# Altium PCB modulo_principal_footprint.PcbDoc (continued)
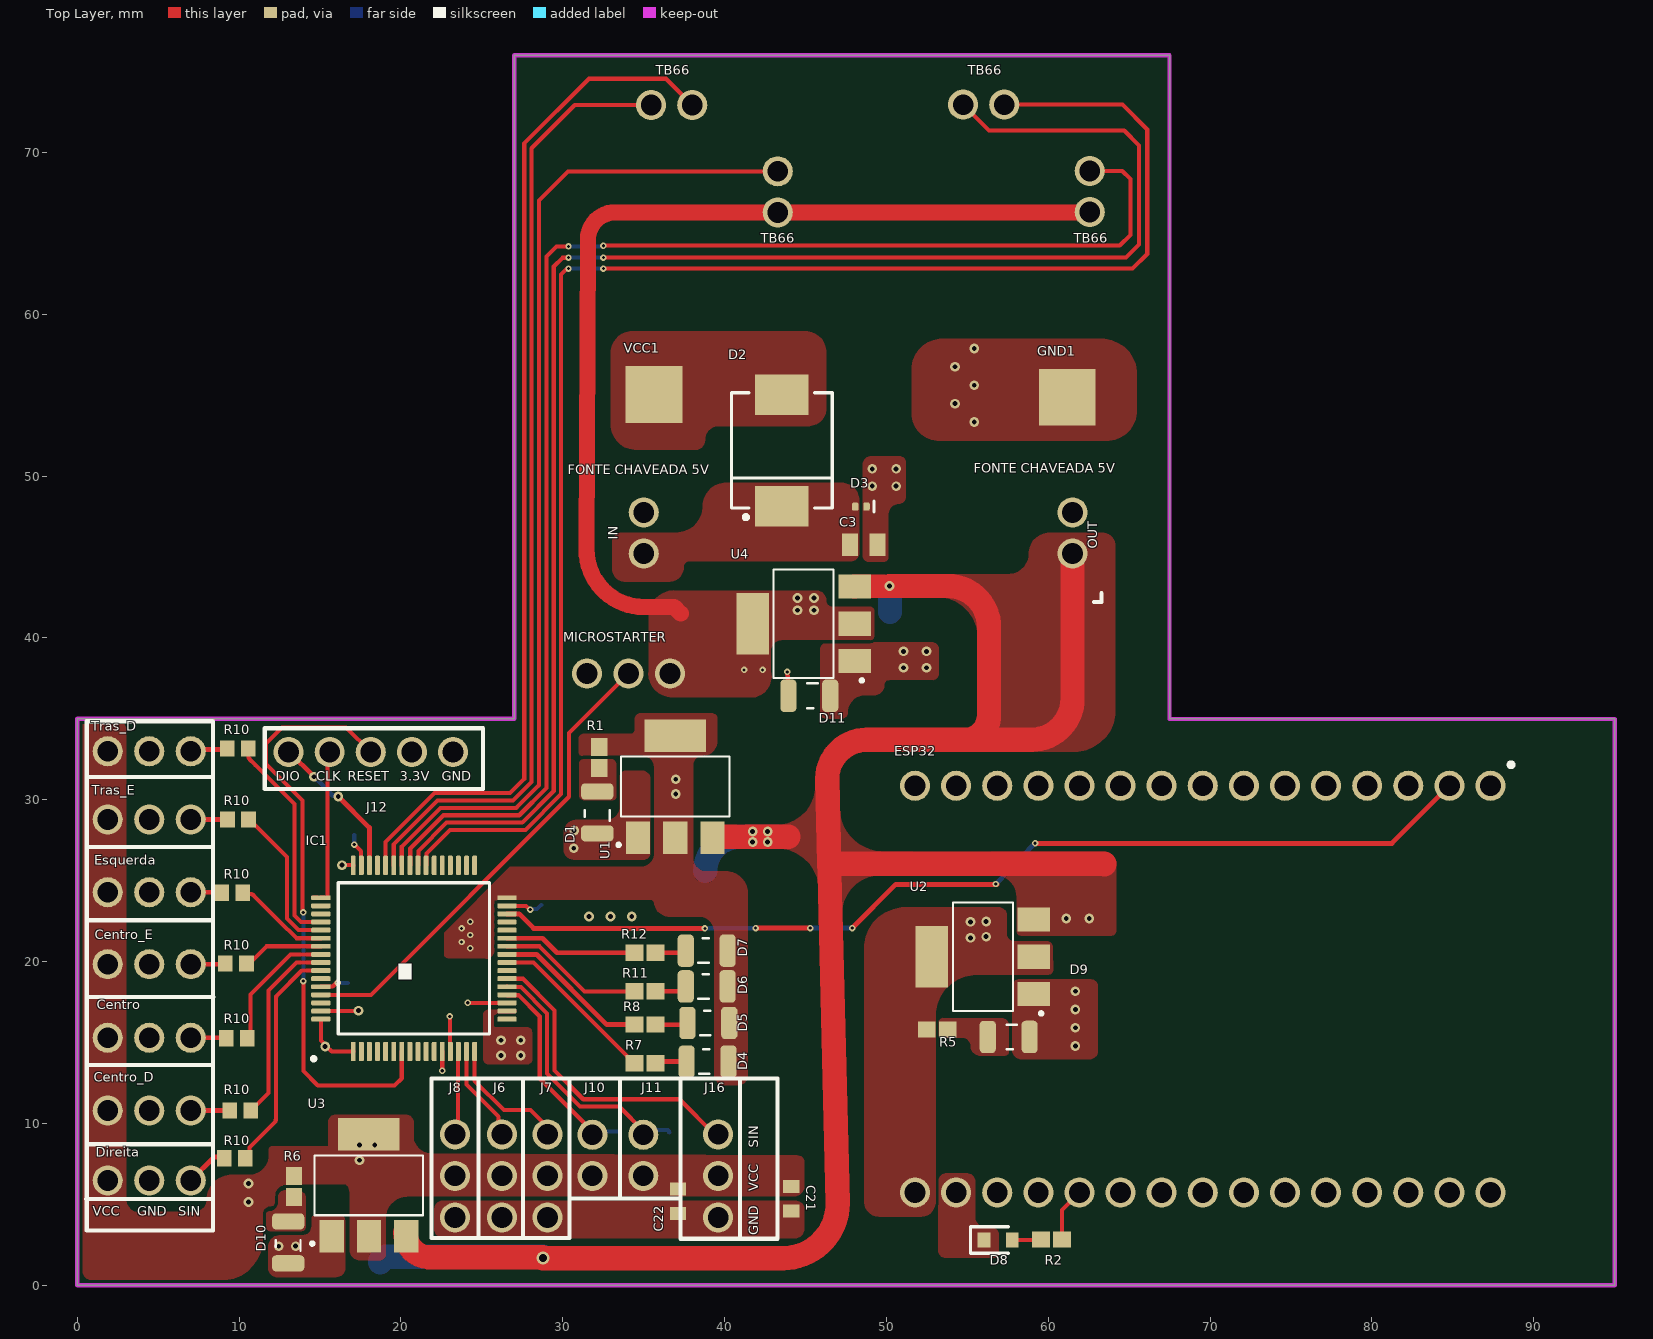
[diagram p0: Top Layer view]
## Nets (pads, with @x,y where several pads share a name; then routed paths per layer and width w, separated by ;. In a path a pad name is that pad's centre, name@x,y a point inside that pad or via, vN(x,y) a via of type N, cw(c..) or ccw(c..) an arc to the next point about the centre after c; other vN are vias at no path point)
3.3V-ESP: C16.2 ESP32.3V3 R5.2 U2.2
  other v1: 55.194,21.463 56.159,21.539 55.194,22.454 56.159,22.479
3.3V-MICRO-TB66: C20.2 MICROSTARTER.PIN1 R14.2 TB66.PIN1@43.28,66.29 TB66.PIN1@62.559,66.316 U4.2 | length 59.1
  Top Layer w1: 37.287,41.504 36.881,41.91 35.001,41.91 cw(c35.001,45.441) 31.471,45.441 31.553,64.621 cw(c33.223,64.621) 33.223,66.29 43.28,66.29 62.534,66.29 TB66.PIN1@62.559,66.316
  other v1: 44.501,41.707 45.517,41.707 44.501,42.469 45.517,42.469
  other v2: 41.199,38.024 42.342,38.024
3.3V-SENSOR: C10.2 C11.2 C18.2 C21.2 C22.2 Centro.PIN1 Centro_D.PIN1 Centro_E.PIN1 Direita.PIN1 Esquerda.PIN1 J6.PIN2 J7.PIN2 J8.PIN2 J10.PIN1 J11.PIN1 J16.PIN2 R6.2 Tras_D.PIN1 Tras_E.PIN1 U3.2
  other v1: 10.576,5.148 10.576,6.291 17.438,7.723 17.438,8.662 18.378,8.662
5V: "FONTE CHAVEADA 5V.PIN1"@61.5,45.212 C1.2 C15.2 C17.2 C19.2 U1.3 U2.3 U3.3 U4.3 | length 139.3
  Top Layer w1.5: U3.3@20.269,3.251 ccw(c21.793,3.251) 21.604,1.739 ccw(c21.793,3.251) 21.793,1.727 v3@28.766,1.727 ; v3(28.766,1.674) 43.61,1.674 ccw(c43.61,5.052) 46.987,5.032 ccw(c45.487,5.036) 46.987,5.073 46.479,25.472 46.465,26.037 ; U1.3@39.435,27.711 43.947,27.711 ; U4.3 v1(50.19,43.205) 53.797,43.205 cw(c53.797,40.665) 56.337,40.665 56.337,35.206 cw(c54.837,35.206) 54.84,33.706 ; 61.5,45.212 61.5,36.246 cw(c58.96,36.246) 58.96,33.706 54.84,33.706 ; 63.475,26.01 ccw(c63.447,26.01) 63.447,26.037 46.465,26.037 ; 46.465,26.037 46.335,31.239 cw(c47.835,31.274) 46.335,31.297 cw(c48.781,31.26) 48.781,33.706 54.84,33.706
  Bottom Layer w1.5: C17.2 cw(c19.05,1.422) 19.05,1.753 v3@28.766,1.753 ; C1.2 cw(c40.918,25.603) 40.918,27.711 43.205,27.711 ; v1(50.19,43.205) cw(c50.19,43.18) 50.216,43.18 C19.2
  other v1: 61.112,22.657 62.535,22.657 41.732,27.387 42.657,27.387 41.732,28.042 42.657,28.042
BAT: D2.A VCC1.A
BOOT0: IC1.60 R9.1 | length 1.7
  Top Layer w0.254: IC1.60 15.076,18.466 15.785,18.466 16.013,18.694 v2@16.053,18.694
  Bottom Layer w0.254: v2(16.104,18.694) 16.116,18.682 16.696,18.682 R9.1
DIST1: IC1.58 R10.1@10.378,7.849 | length 14.3
  Top Layer w0.254: R10.1@10.632,7.595 10.632,8.501 12.194,10.062 ccw(c12.014,10.242) 12.268,10.242 12.268,17.734 cw(c12.522,17.734) 12.343,17.914 13.872,19.443 IC1.58
DIST2: IC1.57 R10.1@10.708,10.795 | length 11.9
  Top Layer w0.254: R10.1@10.683,10.566 R10.1@10.683,10.616 ; R10.1@10.734,10.794 11.811,11.871 11.811,18.219 13.535,19.943 IC1.57
DIST3: IC1.56 R10.1@10.505,15.265 | length 8.1
  Top Layer w0.254: R10.1@10.683,15.291 10.693,15.301 10.693,17.965 13.172,20.443 IC1.56
DIST4: IC1.55 R10.1@10.454,19.888 | length 4.9
  Top Layer w0.254: R10.1@10.48,19.787 R10.1@10.48,19.837 ; R10.1@10.632,19.887 11.688,20.943 IC1.55
DIST5: IC1.54 R10.1@10.226,24.257 | length 5.8
  Top Layer w0.254: R10.1@10.404,24.181 10.692,24.181 cw(c10.692,23.927) 10.871,24.107 12.504,22.475 13.535,21.443 IC1.54
DIST6: IC1.53 R10.1@10.581,28.778 | length 9.5
  Top Layer w0.254: R10.1@10.632,28.829 10.632,28.779 12.957,26.454 12.957,22.663 13.677,21.943 IC1.53
DIST7: IC1.52 R10.1@10.556,33.172 | length 13.2
  Top Layer w0.254: R10.1@10.581,33.096 10.581,32.678 ccw(c10.835,32.678) 10.655,32.499 10.99,32.164 13.411,29.743 13.411,22.851 13.82,22.443 IC1.52
ESP32: ESP32.PIN2 IC1.30 | length 62.3
  Top Layer w0.3: IC1.30 27.298,22.943 28.194,22.047 v2(38.786,22.047) ; v2(41.91,22.073) v2(45.288,22.073) ; v2(47.879,22.073) 50.571,24.765 v2@56.82,24.765 ; v2(59.182,27.305) 81.229,27.305 ESP32.PIN2
  Bottom Layer w0.3: v2(38.786,22.047) 38.798,22.06 41.897,22.06 v2(41.91,22.073) ; v2(45.288,22.073) v2(47.879,22.073) ; v2(56.753,24.792) v2(59.182,27.305)
FLAGSIGNAL: IC1.22 J16.PIN1 | length 19.2
  Top Layer w0.254: IC1.22 26.558,18.937 27.534,18.937 29.483,16.988 29.483,13.272 31.263,11.492 37.218,11.492 39.388,9.321 J16.PIN1
LED: ESP32.PIN26 R2.1 | length 3.4
  Top Layer w0.254: R2.1 60.848,4.652 ESP32.PIN26
LED1: IC1.24 R7.2 | length 10.5
  Top Layer w0.254: IC1.24 28.2,19.943 34.004,14.139 34.004,14.089 34.377,13.716 R7.2
LED2: IC1.25 R8.2 | length 9.8
  Top Layer w0.3: IC1.25 28.376,20.443 32.715,16.104 R8.2@34.529,16.104
LED3: IC1.26 R11.2 | length 9
  Top Layer w0.254: IC1.26 28.562,20.943 31.344,18.161 R11.2
LED4: IC1.27 R12.2 | length 8.2
  Top Layer w0.3: IC1.27 28.747,21.443 29.642,20.549 R12.2
LIN1: IC1.14 J8.PIN1 | length 5.4
  Top Layer w0.254: J8.PIN1@23.368,9.169 23.53,9.331 23.53,14.42 IC1.14
LIN2: IC1.15 J6.PIN1 | length 6.1
  Top Layer w0.254: IC1.15 24.053,12.396 26.035,10.414 J6.PIN1@26.035,9.169
LIN3: IC1.16 J7.PIN1 | length 8
  Top Layer w0.254: IC1.16 24.553,12.633 26.365,10.82 27.993,10.82 29.286,9.527 J7.PIN1@29.286,9.347
M1_IN1: IC1.40 TB66.PIN1@54.737,72.949 | length 98
  Top Layer w0.254: IC1.40 21.076,25.966 21.076,26.841 22.822,28.588 27.498,28.588 29.442,30.531 29.442,62.944 29.984,63.487 30.34,63.487 v2@30.353,63.5 ; v2@32.512,63.5 64.795,63.5 65.608,64.313 65.608,70.434 64.694,71.349 56.337,71.349 TB66.PIN1@54.737,72.949
  Bottom Layer w0.254: v2@30.353,63.5 v2@32.512,63.5
  other v2: 30.353,63.503 32.512,63.503
M1_IN2: IC1.39 TB66.PIN2@57.277,72.949 | length 96.6
  Top Layer w0.254: IC1.39 21.576,25.966 21.576,26.681 23.028,28.134 27.686,28.134 29.896,30.343 29.896,62.465 30.222,62.791 30.286,62.791 v2@30.286,62.819 ; v2@32.563,62.819 65.207,62.819 66.116,63.729 66.116,71.425 64.592,72.949 TB66.PIN2@57.277,72.949
  Bottom Layer w0.254: v2(30.353,62.819) v2(32.512,62.819) v2@32.563,62.819
M1_PWM: IC1.41 TB66.PIN2@62.559,68.856 | length 86.7
  Top Layer w0.254: IC1.41 20.576,25.966 20.576,26.983 22.634,29.042 27.31,29.042 28.988,30.719 28.988,63.557 29.616,64.186 v2(30.353,64.186) ; v2(32.512,64.237) 64.414,64.237 65.075,64.897 65.075,68.351 64.57,68.856 TB66.PIN2@62.559,68.856
  Bottom Layer w0.254: v2(30.353,64.186) 32.422,64.186 32.472,64.237 v2(32.512,64.237)
M2_IN1: IC1.43 TB66.PIN1@35.458,72.923 | length 59.1
  Top Layer w0.254: IC1.43 19.553,27.245 22.258,29.95 26.934,29.95 28.07,31.086 28.07,70.256 30.738,72.923 TB66.PIN1@35.458,72.923
M2_IN2: IC1.44 TB66.PIN2@37.998,72.923 | length 63.6
  Top Layer w0.254: IC1.44 19.053,27.387 22.07,30.404 26.746,30.404 27.616,31.274 27.616,70.549 31.616,74.549 36.373,74.549 TB66.PIN2@37.998,72.923
M2_PWM: IC1.42 TB66.PIN2@43.28,68.83 | length 62.8
  Top Layer w0.254: IC1.42 20.053,27.103 22.446,29.496 27.122,29.496 28.524,30.898 28.524,67.031 30.324,68.83 TB66.PIN2@43.28,68.83
NetC3_1: "FONTE CHAVEADA 5V.PIN1"@35,45.212 C3.1 D2.C D3.C
NetD1_A: D1.A R1.1 | length 0.1
  Top Layer w0.254: R1.1@32.207,31.902 cw(c32.258,31.902) R1.1
NetD4_C: D4.C R7.1 | length 1.8
  Top Layer w0.3: R7.1@35.88,13.716 35.98,13.816 D4.C
NetD5_C: D5.C R8.1 | length 1.9
  Top Layer w0.3: R8.1@35.836,16.097 37.594,16.097 D5.C
NetD6_C: D6.C R11.1 | length 1.8
  Top Layer w0.3: R11.1 D6.C@37.49,18.161
NetD7_C: D7.C R12.1 | length 1.9
  Top Layer w0.3: R12.1 D7.C@37.599,20.549 ; D7.C@37.599,20.676 D7.C@37.617,20.676
NetD8_A: D8.A R2.2 | length 1.8
  Top Layer w0.254: D8.A 59.523,2.794 R2.2
NetD9_A: D9.A R5.1
NetD10_A: D10.A R6.1 | length 0.6
  Top Layer w0.254: R6.1@13.03,5.09 cw(c13.386,5.09) R6.1
NetD11_A: D11.A R14.1 | length 3
  Top Layer w0.3: v2(43.866,37.897) 43.936,37.124 cw(c43.637,37.097) 43.937,37.097 D11.A
  Bottom Layer w0.3: v2(43.866,37.897) 43.881,37.102 cw(c43.581,37.097) 43.881,37.097 R14.1
NetJ9_SensorInfra1_PIN3: Direita.PIN3 R10.2@9.078,7.849 | length 2.7
  Top Layer w0.3: Direita.PIN3 8.457,7.925 9.042,7.925 R10.2@9.068,7.95
NetJ9_SensorInfra2_PIN3: Centro_D.PIN3 R10.2@9.408,10.795 | length 2.4
  Top Layer w0.3: Centro_D.PIN3@7.01,10.846 ccw(c7.133,10.968) 7.133,10.795 R10.2@9.408,10.795
NetJ9_SensorInfra3_PIN3: Centro.PIN3 R10.2@9.205,15.265 | length 2.2
  Top Layer w0.3: Centro.PIN3@7.06,15.291 9.195,15.291 R10.2@9.246,15.24
NetJ9_SensorInfra4_PIN3: Centro_E.PIN3 R10.2@9.154,19.888 | length 2.2
  Top Layer w0.3: Centro_E.PIN3@7.06,19.837 9.119,19.837 R10.2@9.246,19.964
NetJ9_SensorInfra5_PIN3: Esquerda.PIN3 R10.2@8.926,24.257 | length 1.9
  Top Layer w0.3: Esquerda.PIN3 8.864,24.282 cw(c8.864,24.196) R10.2@8.926,24.257
NetJ9_SensorInfra6_PIN3: R10.2@9.281,28.778 Tras_E.PIN3 | length 2.3
  Top Layer w0.3: Tras_E.PIN3 9.281,28.778 R10.2@9.347,28.778
NetJ9_SensorInfra7_PIN3: R10.2@9.256,33.172 Tras_D.PIN3 | length 2.3
  Top Layer w0.3: Tras_D.PIN3@7.01,33.096 R10.2@9.281,33.096
RAMP1: IC1.20 J10.PIN2 R3.2 | length 12.8
  Top Layer w0.254: IC1.20 26.576,17.92 27.267,17.92 28.575,16.612 28.575,12.776 J10.PIN2@31.852,9.5
  Bottom Layer w0.254: J10.PIN2@31.775,9.55 31.824,9.502 33.475,9.502 R3.2@33.503,9.474
RAMP2: IC1.21 J11.PIN2 R4.2 | length 16.1
  Top Layer w0.254: IC1.21 26.576,18.42 27.102,18.42 27.409,18.42 29.029,16.8 29.029,13.084 31.075,11.038 33.488,11.038 35.016,9.51 J11.PIN2@35.016,9.474
  Bottom Layer w0.254: J11.PIN2@34.925,9.601 36.424,9.601 cw(c36.424,9.449) R4.2@36.576,9.449
RESET: IC1.7 J12.RESET | length 37
  Top Layer w0.254: v2(13.97,18.796) 13.97,13.233 14.859,12.344 19.609,12.344 20.053,12.788 IC1.7 ; v2(13.97,23.038) cw(c14.173,23.19) 13.919,23.19 13.919,29.947 11.659,32.207 11.659,33.477 12.649,34.468 16.612,34.468 J12.RESET
  Bottom Layer w0.254: v2(13.97,18.796) v2(13.97,23.038)
START: IC1.61 MICROSTARTER.PIN2 | length 29.5
  Top Layer w0.254: IC1.61 18.138,17.943 30.378,30.184 30.378,34.112 MICROSTARTER.PIN2
SWCLK: IC1.49 J12.CLK | length 9.9
  Top Layer w0.254: IC1.49@14.58,23.966 14.603,23.943 IC1.49@14.828,23.943 ; IC1.49 15.446,23.943 15.469,23.966 15.469,32.817 J12.CLK
  Bottom Layer w0.254: J12.CLK@15.497,32.845 J12.CLK
SWDIO: IC1.46 J12.DIO | length 9.3
  Top Layer w0.3: J12.DIO 13.106,32.944 v1(14.63,31.42) ; v1(16.129,30.201) 18.053,28.277 IC1.46
  Bottom Layer w0.3: v1(14.63,31.42) 15.792,30.258 16.072,30.258 v1(16.129,30.201)
VCAP_1: C12.2 IC1.31 | length 2.3
  Top Layer w0.254: IC1.31 27.724,23.443 27.951,23.216 v2(27.991,23.216)
  Bottom Layer w0.254: v2(27.991,23.216) 28.019,23.244 28.415,23.244 C12.2@28.667,23.495
VCAP_2: C9.2 IC1.47 | length 2.1
  Top Layer w0.254: v2(17.12,27.229) 17.53,26.819 17.53,25.966 IC1.47
  Bottom Layer w0.254: C9.2 17.112,27.822 17.112,27.237 v2(17.12,27.229)
VDD: C2.2 C4.2 C5.2 C6.2 C7.2 C8.2 C13.2 C14.2 D4.A D5.A D6.A D7.A IC1.1 IC1.13 IC1.19 IC1.32 IC1.48 IC1.64 J12.VCC R1.2 U1.2 | length 9
  Top Layer w0.254: IC1.64 15.053,15.115 15.316,14.851 v1(15.316,14.757) 15.41,14.757 15.724,14.443 IC1.1 ; v1(16.358,25.959) 17.037,25.959 IC1.48 ; v2(23.012,16.612) 23.033,16.591 23.033,14.463 IC1.13 ; v2(24.13,17.45) 24.133,17.446 26.549,17.446 IC1.19
  other v1: 36.982,30.353 36.982,31.267
  other v2: 24.282,20.828 23.749,21.209 24.282,21.641 23.749,22.047 24.282,22.454
VSS: "FONTE CHAVEADA 5V.PIN2" C1.1 C2.1 C3.2 C4.1 C5.1 C6.1 C7.1 C8.1 C9.1 C10.1 C11.1 C12.1 C13.1 C14.1 C15.1 C16.1 C17.1 C18.1 C19.1 C20.1 C21.1 C22.1 Centro.PIN2 Centro_D.PIN2 Centro_E.PIN2 D1.C D3.A D8.C D9.C D10.C D11.C Direita.PIN2 ESP32.GND Esquerda.PIN2 GND1.A IC1.12 IC1.18 IC1.63 J6.PIN3 J7.PIN3 J8.PIN3 J12.GND J16.PIN3 MICROSTARTER.PIN3 R3.1 R4.1 R9.2 Tras_D.PIN2 Tras_E.PIN2 U1.1 U2.1 U3.1 U4.1 | length 3.7
  Top Layer w0.254: IC1.63 15.065,16.955 17.361,16.955 v1(17.374,16.967) ; IC1.12 IC1.12 22.554,13.26 v2(22.555,13.259) ; D8.C@55.931,2.882 D8.C D8.C@56.007,2.782
  other v1: 12.446,2.413 13.491,2.417 26.187,14.195 27.4,14.195 61.671,14.783 26.187,15.134 27.4,15.134 61.671,15.909 61.671,17.035 61.671,18.161 31.623,22.784 32.944,22.784 34.265,22.784 30.677,27.005 30.703,28.097 51.054,38.151 52.476,38.151 51.054,39.167 52.476,39.167 49.124,49.378 50.597,49.378 49.124,50.444 50.597,50.444 55.423,53.34 54.234,54.477 55.423,55.613 54.234,56.75 55.423,57.887
pads on no net: ESP32.EN ESP32.PIN3 ESP32.PIN4 ESP32.PIN5 ESP32.PIN6 ESP32.PIN7 ESP32.PIN8 ESP32.PIN9 ESP32.PIN10 ESP32.PIN11 ESP32.PIN12 ESP32.PIN13 ESP32.PIN16 ESP32.PIN17 ESP32.PIN18 ESP32.PIN19 ESP32.PIN20 ESP32.PIN21 ESP32.PIN22 ESP32.PIN23 ESP32.PIN24 ESP32.PIN25 ESP32.PIN27 ESP32.PIN28 ESP32.VIN IC1.2 IC1.3 IC1.4 IC1.5 IC1.6 IC1.8 IC1.9 IC1.10 IC1.11 IC1.17 IC1.23 IC1.28 IC1.29 IC1.33 IC1.34 IC1.35 IC1.36 IC1.37 IC1.38 IC1.45 IC1.50 IC1.51 IC1.59 IC1.62

## Polygon pours and split planes (outlines as drawn)
VSS on Bottom Layer "VSS_L02_P104" (solid, remove dead copper, pour order 104): 3.962,34.671 0.709,34.671 ccw(c0.709,34.163) 0.201,34.163 0.201,1.761 ccw(c1.565,1.761) 1.565,0.398 93.844,0.398 ccw(c93.844,1.168) 94.615,1.168 94.615,34.011 ccw(c93.828,34.011) 93.828,34.798 67.539,34.798 cw(c67.539,35.281) 67.056,35.281 67.056,74.981 ccw(c66.345,74.981) 66.345,75.692 27.838,75.692 ccw(c27.838,75.286) 27.432,75.286 27.432,35.052 cw(c27.051,35.052) 27.051,34.671
VDD on Bottom Layer "VDD_L02_P001" (solid, pour order 1): 35.408,31.877 ccw(c35.408,31.521) 35.052,31.521 35.052,29.667 ccw(c35.382,29.667) 35.382,29.337 37.922,29.337 ccw(c37.922,29.642) 38.227,29.642 38.227,31.572 ccw(c37.922,31.572) 37.922,31.877
VSS on Bottom Layer "VSS_L02_P029" (solid, pour order 29): 5.69,3.607 5.69,3.708 cw(c6.248,3.708) 6.248,4.267 7.874,4.267 cw(c7.874,3.759) 8.382,3.759 ccw(c8.382,4.267) 8.89,4.267 8.89,5.918 ccw(c8.407,5.918) 8.407,6.401 8.382,6.401 cw(c8.001,6.401) 8.001,6.02 5.969,6.02 cw(c5.969,6.375) 5.613,6.375 5.613,6.426
3.3V-SENSOR on Bottom Layer "3.3V-SENSOR_L02_P019" (solid, pour order 19): 1.956,34.76 cw(c2.038,33.928) 2.87,34.011 2.972,0.66 cw(c2.464,0.66) 2.464,0.152 0.559,0.152 cw(c0.559,0.533) 0.178,0.533 0.178,34.011 cw(c0.872,34.066) 0.927,34.76
VSS on Bottom Layer "VSS_L02_P004" (solid, pour order 4): 3.81,33.833 ccw(c3.848,33.363) 3.378,33.325 3.378,0.533 ccw(c3.67,0.444) 3.581,0.152 5.334,0.152 ccw(c5.334,0.533) 5.715,0.533 5.715,33.325 ccw(c5.207,33.325) 5.207,33.833
VDD on Bottom Layer "VDD_L02_P064" (solid, pour order 64): 14.427,14.859 ccw(c15.113,14.859) 15.113,14.173 19.431,14.173 ccw(c19.431,14.58) 19.837,14.58 19.837,16.027 cw(c20.345,16.027) 20.345,16.535 22.553,16.535 cw(c22.553,16.056) 23.033,16.056 23.033,15.296 ccw(c23.343,15.296) 23.343,14.986 24.003,14.986 ccw(c24.003,15.215) 24.232,15.215 24.232,16.713 cw(c24.714,16.713) 24.714,17.196 25.552,17.196 ccw(c25.552,17.446) 25.803,17.446 25.803,25.988 ccw(c25.146,25.988) 25.146,26.645 22.86,26.645 cw(c22.86,27.407) 22.098,27.407 22.098,32.995 ccw(c20.676,32.995) 20.676,34.417 ccw(c20.676,33.223) 19.482,33.223 19.482,27.635 cw(c18.542,27.635) 18.542,26.695 16.002,26.695 ccw(c16.002,26.162) 15.469,26.162 15.469,24.562 ccw(c16.027,24.562) 16.027,24.003 20.142,24.003 cw(c20.142,23.063) 21.082,23.063 21.082,18.313 cw(c20.422,18.313) 20.422,17.653 18.771,17.653 ccw(c18.771,17.297) 18.415,17.297 18.415,17.247 cw(c17.602,17.247) 17.602,16.434 14.91,16.434 ccw(c14.91,15.951) 14.427,15.951
3.3V-MICRO-TB66 on Bottom Layer "3.3V-MICRO-TB66_L02_P063" (solid, pour order 63): 44.475,43.028 43.967,43.028 ccw(c43.967,42.621) 43.561,42.621 43.561,40.259 ccw(c43.866,40.259) 43.866,39.954 46.177,39.954 ccw(c46.177,40.284) 46.507,40.284 46.507,42.469 ccw(c45.961,42.482) 45.974,43.028
3.3V-SENSOR on Bottom Layer "3.3V-SENSOR_L02_P048" (solid, pour order 48): 16.993,5.232 ccw(c17.297,5.232) 17.297,4.928 18.644,4.928 ccw(c18.644,5.207) 18.923,5.207 18.923,8.89 ccw(c18.567,8.89) 18.567,9.246 17.348,9.246 ccw(c17.348,8.89) 16.993,8.89
3.3V-SENSOR on Bottom Layer "3.3V-SENSOR_L02_P003" (solid, pour order 3): 10.033,31.471 ccw(c10.033,31.293) 9.855,31.293 9.855,0.432 ccw(c10.084,0.432) 10.084,0.203 11.176,0.203 ccw(c11.176,0.406) 11.379,0.406 11.379,31.267 ccw(c11.176,31.267) 11.176,31.471
no net on Bottom Layer "NONET_L02_P044" (solid, pour order 44): 35.281,31.699 ccw(c35.281,31.471) 35.052,31.471 35.052,30.023 ccw(c35.306,30.023) 35.306,29.769 37.363,29.769 ccw(c37.363,30.023) 37.617,30.023 37.617,31.445 ccw(c37.363,31.445) 37.363,31.699
3.3V-MICRO-TB66 on Bottom Layer "3.3V-MICRO-TB66_L02_P037" (solid, pour order 37): 42.85,37.186 ccw(c43.002,37.186) 43.002,37.033 cw(c43.002,36.855) 43.18,36.855 43.18,35.916 cw(c42.977,35.916) 42.977,35.712 40.818,35.712 cw(c40.818,35.839) 40.691,35.839 40.691,38.024 cw(c41.097,38.024) 41.097,38.43 42.469,38.43 cw(c42.469,38.049) 42.85,38.049
5V on Bottom Layer "5V_L02_P033" (solid, pour order 33): 61.036,23.343 ccw(c61.036,22.657) 60.35,22.657 60.35,21.006 ccw(c60.909,21.006) 60.909,20.447 62.814,20.447 ccw(c62.814,20.803) 63.17,20.803 63.17,22.784 ccw(c62.611,22.784) 62.611,23.343
3.3V-ESP on Bottom Layer "3.3V-ESP_L02_P031" (solid, pour order 31): 54.788,22.936 ccw(c54.788,22.454) 54.305,22.454 54.305,19.812 ccw(c54.762,19.812) 54.762,19.355 56.312,19.355 ccw(c56.312,19.99) 56.947,19.99 56.947,22.25 ccw(c56.286,22.25) 56.286,22.911
VSS on Bottom Layer "VSS_L02_P002" (solid, pour order 2): 9.271,31.496 cw(c9.271,31.267) 9.5,31.267 9.5,0.279 cw(c9.373,0.279) 9.373,0.152 8.534,0.152 cw(c8.534,0.305) 8.382,0.305 8.382,31.293 cw(c8.585,31.293) 8.585,31.496
VSS on Top Layer "Top Layer-VSS" (solid, pour order 114): 54.812,1.702 56.797,1.702 ccw(c56.613,1.993) 56.947,1.908 56.947,3.15 ccw(c56.566,3.15) 56.566,3.531 56.236,3.531 cw(c56.236,4.318) 55.474,4.12 55.474,6.375 ccw(c54.915,6.375) 54.915,6.934 53.746,6.934 ccw(c53.746,6.401) 53.213,6.401 53.213,2.134 ccw(c53.645,2.134) 53.645,1.702
VDD on Top Layer "Top Layer-VDD" (solid, pour order 112): 35.652,23.641 ccw(c36.578,23.711) 36.578,22.782 38.379,22.782 cw(c38.379,21.791) 39.37,21.791 39.37,13.106 ccw(c40.043,13.017) 39.364,13.017 ccw(c40.043,13.017) 39.954,12.344 40.894,12.344 ccw(c40.78,12.992) 41.437,12.992 ccw(c40.78,12.992) 41.427,13.106 41.427,24.255 ccw(c40.107,24.255) 40.107,25.576 38.864,25.576 cw(c38.864,26.378) 38.062,26.378 38.062,32.131 cw(c38.646,32.131) 38.646,32.715 ccw(c38.646,33.604) 39.535,33.604 39.535,35.001 ccw(c39.243,35.039) 39.538,35.039 ccw(c39.243,35.039) 39.281,35.331 34.785,35.331 ccw(c34.785,35.001) 34.455,35.001 34.455,34.366 cw(c34.15,34.366) 34.455,34.366 cw(c34.15,34.366) 34.15,34.061 cw(c34.15,34.366) 34.15,34.061 31.28,34.061 ccw(c31.28,33.757) 30.975,33.757 30.975,32.918 ccw(c31.178,32.918) 31.178,32.715 34.912,32.715 cw(c34.912,31.979) 35.649,31.979 cw(c34.912,31.979) 35.649,31.979 35.649,27.051 ccw(c36.019,27.051) 35.649,27.048 cw(c-405.336,25.38) 35.65,26.707 35.649,26.708 cw(c34.785,26.708) 35.649,26.708 cw(c34.785,26.708) 34.785,25.845 cw(c34.785,26.708) 34.785,25.845 26.733,25.845 22.682,21.793 22.682,20.447 ccw(c22.936,20.447) 22.936,20.193 25.197,20.193 ccw(c25.273,20.676) 25.273,20.187 ccw(c25.273,20.676) 25.756,20.599 25.756,23.673 25.756,23.774 35.408,23.8 cw(c35.408,23.533) 35.408,23.8 cw(c35.408,23.533)
VSS on Top Layer "VSS_L01_P108" (solid, pour order 108): 33.858,31.775 ccw(c33.858,31.445) 33.528,31.445 33.528,29.566 cw(c32.715,29.566) 32.715,28.753 30.836,28.753 ccw(c30.836,27.965) 30.048,27.965 30.048,26.949 ccw(c30.709,26.949) 30.709,26.289 34.976,26.289 ccw(c34.976,26.721) 35.408,26.721 35.408,31.293 ccw(c34.925,31.293) 34.925,31.775
3.3V-ESP on Top Layer "3.3V-ESP_L01_P102" (solid, pour order 102): 60.274,20.65 60.274,20.904 ccw(c59.919,20.904) 59.919,21.26 57.887,21.26 cw(c57.887,21.717) 57.429,21.717 57.429,22.86 ccw(c56.947,22.86) 56.947,23.343 51.156,23.343 ccw(c51.156,20.803) 48.616,20.803 48.616,5.207 ccw(c49.606,5.207) 49.606,4.216 52.095,4.216 ccw(c52.095,5.156) 53.035,5.156 53.035,16.637 cw(c55.575,16.637) 55.575,19.177 59.969,19.177 ccw(c59.969,19.507) 60.3,19.507
3.3V-SENSOR on Top Layer "Top Layer-3.3V-SENSOR" (solid, pour order 98): 16.737,6.097 ccw(c19.074,6.578) 16.84,5.739 16.84,2.184 ccw(c17.475,2.184) 17.475,1.549 18.694,1.549 ccw(c18.694,1.93) 19.075,1.93 19.075,4.191 cw(c20.345,4.191) 20.345,5.461 44.322,5.512 ccw(c44.322,6.097) 44.907,6.097 44.907,7.62 ccw(c44.501,7.62) 44.501,8.026 21.895,8.153 cw(c21.895,9.296) 20.777,9.057 20.777,10.058 ccw(c20.295,10.058) 20.295,10.541 15.951,10.541 ccw(c15.951,10.109) 15.519,10.109 15.519,8.585 ccw(c15.501,7.609) 15.494,8.585 12.007,8.585 ccw(c11.996,8.426) 11.836,8.426 11.836,8.026 cw(c10.643,8.026) 10.643,6.833 9.55,6.833 ccw(c9.55,5.283) 8.001,5.283 cw(c7.265,5.283) 7.264,4.547 3.15,4.547 cw(c3.15,4.826) 2.87,4.826 2.87,6.782 ccw(c2.032,6.782) 2.032,7.62 1.016,7.62 ccw(c1.016,6.934) 0.33,6.934 0.33,0.914 ccw(c0.94,0.914) 0.94,0.305 8.915,0.305 ccw(c8.915,2.845) 11.455,2.845 11.455,4.394 cw(c11.938,4.394) 11.938,4.877 ccw(c11.938,5.156) 12.217,5.156 12.217,5.512 cw(c12.903,5.512) 12.903,6.198 16.612,6.198 cw(c16.41,5.819)
3.3V-SENSOR on Top Layer "3.3V-SENSOR_L01_P100" (solid, pour order 100): 2.718,34.696 cw(c2.718,34.392) 3.023,34.392 3.023,5.309 ccw(c3.81,5.309) 3.81,4.521 cw(c2.388,4.521) 2.388,3.099 0.33,3.099 cw(c0.514,3.283) 0.254,3.283 0.254,34.696
VSS on Top Layer "VSS_L01_P099" (solid, pour order 99): 14.74,4.343 16.205,4.343 cw(c16.205,3.988) 16.561,3.988 16.561,1.067 cw(c16.002,1.067) 16.002,0.508 12.37,0.508 cw(c12.37,1.067) 11.811,1.067 11.811,2.388 cw(c12.522,2.388) 12.522,3.099 13.919,3.099 ccw(c13.919,3.658) 14.478,3.658 14.478,4.115 cw(c14.732,4.088)
NetD10_A on Top Layer "NETD10_A_L01_P012" (solid, pour order 12): 12.852,5.867 ccw(c12.852,5.436) 12.421,5.436 12.421,5.131 cw(c11.862,5.131) 11.862,4.572 ccw(c11.862,4.394) 11.684,4.394 11.684,3.581 ccw(c11.938,3.581) 11.938,3.327 13.792,3.327 ccw(c13.792,3.658) 14.122,3.658 14.122,5.359 ccw(c13.614,5.359) 13.614,5.867
NetD9_A on Top Layer "NETD9_A_L01_P028" (solid, pour order 28): 53.238,16.281 53.238,16.231 53.238,15.418 ccw(c53.365,15.418) 53.365,15.291 54.686,15.291 cw(c54.686,14.757) 55.22,14.757 ccw(c55.804,14.757) 55.804,14.173 57.302,14.173 ccw(c57.302,14.427) 57.556,14.427 57.556,16.078 ccw(c57.125,16.078) 57.125,16.51 53.492,16.51 ccw(c53.48,16.269)
3.3V-MICRO-TB66 on Top Layer "3.3V-MICRO-TB66_L01_P032" (solid, pour order 32): 40.767,42.926 37.008,42.926 ccw(c36.893,41.339) 35.306,41.453 35.306,37.948 ccw(c36.754,37.795) 36.601,36.347 41.91,36.347 ccw(c41.58,37.617) 42.85,37.948 42.85,39.192 cw(c43.51,39.192) 43.51,39.853 48.946,39.853 ccw(c48.946,40.157) 49.251,40.157 49.251,41.656 ccw(c48.997,41.656) 48.997,41.91 46.685,41.91 cw(c46.685,42.316) 46.279,42.316 ccw(c45.695,42.316) 45.695,42.901 43.155,42.901
BAT on Top Layer "BAT_L01_P034" (solid, pour order 34): 32.969,57.633 32.969,53.213 ccw(c34.569,53.213) 34.569,51.613 38.151,51.613 ccw(c38.151,52.273) 38.811,52.273 cw(c39.624,52.273) 39.624,53.086 45.161,53.086 ccw(c45.161,54.204) 46.279,54.204 46.279,57.658 ccw(c45.004,57.658) 45.004,58.933 34.27,58.933 ccw(c34.27,57.633)
VSS on Top Layer "VSS_L01_P052" (solid, pour order 52): 53.442,58.471 ccw(c53.442,56.591) 51.562,56.591 51.562,53.873 ccw(c53.264,53.873) 53.264,52.172 63.576,52.172 ccw(c63.576,54.077) 65.481,54.077 65.481,56.261 ccw(c63.271,56.261) 63.271,58.471
VSS on Top Layer "VSS_L01_P055" (solid, pour order 55): 45.923,35.357 ccw(c46.279,35.357) 46.279,35.001 47.219,35.001 ccw(c47.219,35.382) 47.6,35.382 cw(c48.666,35.382) 48.666,36.449 49.225,36.449 ccw(c49.225,37.084) 49.86,37.084 cw(c50.165,37.084) 50.165,37.389 52.807,37.389 ccw(c52.807,37.821) 53.238,37.821 53.238,39.294 ccw(c52.807,39.294) 52.807,39.726 46.355,39.726 ccw(c46.355,39.294) 45.923,39.294
VSS on Top Layer "VSS_L01_P056" (solid, pour order 56): 58.445,18.898 58.217,18.898 ccw(c58.217,18.466) 57.785,18.466 57.785,14.529 ccw(c58.344,14.529) 58.344,13.97 62.56,13.97 ccw(c62.56,14.478) 63.068,14.478 63.068,18.517 ccw(c62.624,18.453) 62.56,18.898
VSS on Top Layer "VSS_L01_P057" (solid, pour order 57): 27.127,17.018 cw(c27.127,16.967) 27.178,16.967 27.178,16.764 cw(c27.127,16.764) 27.127,16.713 25.832,16.713 ccw(c25.832,16.612) 25.73,16.612 25.73,16.104 ccw(c25.908,16.104) 25.908,15.926 27.788,15.926 cw(c27.788,15.596) 28.118,15.596 28.118,13.945 cw(c27.838,13.945) 27.838,13.665 25.375,13.665 cw(c25.375,13.945) 25.095,13.945 25.095,16.739 cw(c25.375,16.739) 25.375,17.018
VSS on Top Layer "VSS_L01_P061" (solid, pour order 61): 48.895,44.704 cw(c48.895,45.06) 48.539,45.06 48.539,50.698 cw(c49.073,50.698) 49.073,51.232 50.8,51.232 cw(c50.8,50.825) 51.206,50.825 51.206,48.743 cw(c50.749,48.743) 50.749,48.285 ccw(c50.749,47.65) 50.114,47.65 50.114,44.983 cw(c49.835,44.983) 49.835,44.704
NetD1_A on Top Layer "NETD1_A_L01_P065" (solid, pour order 65): 33.071,29.972 ccw(c33.071,30.201) 33.299,30.201 33.299,32.182 ccw(c32.969,32.182) 32.969,32.512 31.293,32.512 ccw(c31.293,32.233) 31.013,32.233 31.013,30.277 ccw(c31.318,30.277) 31.318,29.972
VSS on Top Layer "VSS_L01_P070" (solid, pour order 70): 22.073,4.724 22.073,3.505 ccw(c22.682,3.505) 22.682,2.896 44.323,2.896 ccw(c44.323,3.505) 44.933,3.505 44.933,4.724 ccw(c44.386,4.661) 44.323,5.208 22.556,5.208 ccw(c22.556,4.724)
NetC3_1 on Top Layer "NETC3_1_L01_P071" (solid, remove dead copper, pour order 71): 47.244,49.581 cw(c47.244,48.514) 48.311,48.514 48.311,45.263 cw(c47.777,45.263) 47.777,44.729 37.821,44.729 ccw(c37.821,44.374) 37.465,44.374 cw(c36.551,44.374) 36.551,43.459 33.858,43.459 cw(c33.858,44.272) 33.045,44.272 33.045,45.898 cw(c33.655,45.898) 33.655,46.507 37.008,46.507 ccw(c37.008,48.158) 38.659,48.158 cw(c40.081,48.158) 40.081,49.581 40.437,49.581
5V on Top Layer "5V_L01_P076" (solid, pour order 76): 56.413,25.324 56.718,25.324 cw(c56.718,24.003) 58.039,24.003 58.039,21.92 ccw(c58.369,21.92) 58.369,21.59 63.856,21.59 ccw(c63.856,21.92) 64.186,21.92 64.186,25.959 ccw(c63.373,25.959) 63.373,26.772 56.54,26.772 ccw(c56.54,26.594) 56.363,26.594
5V on Top Layer "5V_L01_P078" (solid, pour order 78): 41.174,28.448 43.205,28.448 ccw(c43.205,30.861) 45.618,30.861 45.618,31.445 cw(c45.669,31.445) 45.669,31.496 47.092,31.496 47.092,29.54 ccw(c49.835,29.54) 49.835,26.797 51.613,26.797 51.613,25.298 49.53,25.298 ccw(c49.53,23.038) 47.269,23.038 47.269,22.403 45.822,22.403 45.822,24.435 ccw(c43.282,24.435) 43.282,26.975 41.199,26.975
5V on Top Layer "5V_L01_P079" (solid, pour order 79): 52.451,43.942 57.531,43.942 ccw(c57.531,45.212) 58.801,45.212 cw(c60.071,45.212) 60.071,46.482 63.373,46.482 cw(c63.373,45.72) 64.135,45.72 64.135,35.509 cw(c61.595,35.509) 61.595,32.969 58.191,32.969 cw(c58.191,35.509) 55.651,35.509 55.651,39.98 ccw(c53.111,39.98) 53.111,42.52 52.476,42.52

## Keep-outs
Keep-Out Layer:
  the board outline again, w0.254

## Silkscreen, mask and mechanical layers (free items; w line width, h text height)
Top Overlay:
  lines w0.254: 0.549,5.332 8.347,5.332 ; 0.575,8.71 8.373,8.71 ; 0.575,13.612 8.373,13.612 ; 0.575,27.074 8.373,27.074 ; 0.575,34.847 8.373,34.847 ; 0.584,34.747 0.584,3.378 8.382,3.378 8.382,34.747 ; 0.6,22.553 8.398,22.553 ; 0.6,31.392 8.398,31.392 ; 0.626,17.803 8.423,17.803 ; 24.79,2.921 24.79,12.675 ; 27.545,2.945 27.545,12.751 ; 30.415,12.725 30.415,2.921 21.895,2.921 21.895,12.776 43.256,12.776 43.256,2.87 37.273,2.87 37.273,12.7 ; 30.48,5.359 33.539,5.359 ; 33.539,12.751 33.539,5.359 ; 37.273,5.359 33.539,5.359 ; 40.955,2.927 40.955,12.751 ; 62.814,42.227 63.297,42.227 63.297,42.761
  text "IN" at 33.604,46.061 h1 r90
  text "OUT" at 63.235,45.517 h1 r90
  text "." at 18.999,16.993 h10
  text "SIN" at 42.306,8.509 h1 r90
  text "VCC" at 42.306,5.818 h1 r90
  text "VCC" at 0.966,4.075 h1
  text "GND" at 3.708,4.075 h1
  text "SIN" at 6.248,4.075 h1
  text "GND" at 42.306,3.099 h1 r90
Bottom Overlay:
  drawing of 4 lines, arcs and shapes, not listed
  text ":." at 76.401,17.069 h2.5
  text "RAIJIN MK1" at 77.749,9.278 h5
BoardOutLine:
  the board outline again, w0.254

## Text inside footprints (layer, text, board x,y; h text height)
J12: Top Overlay "DIO" at 12.268,30.946 h1; Top Overlay "GND" at 22.53,30.951 h1; Top Overlay "3.3V" at 19.939,30.951 h1; Top Overlay "RESET" at 16.713,30.946 h1; Top Overlay "CLK" at 14.757,30.946 h1